# KiCad board skean.kicad_pcb
title: Skean; date: 2023-03-15; rev: 0.3
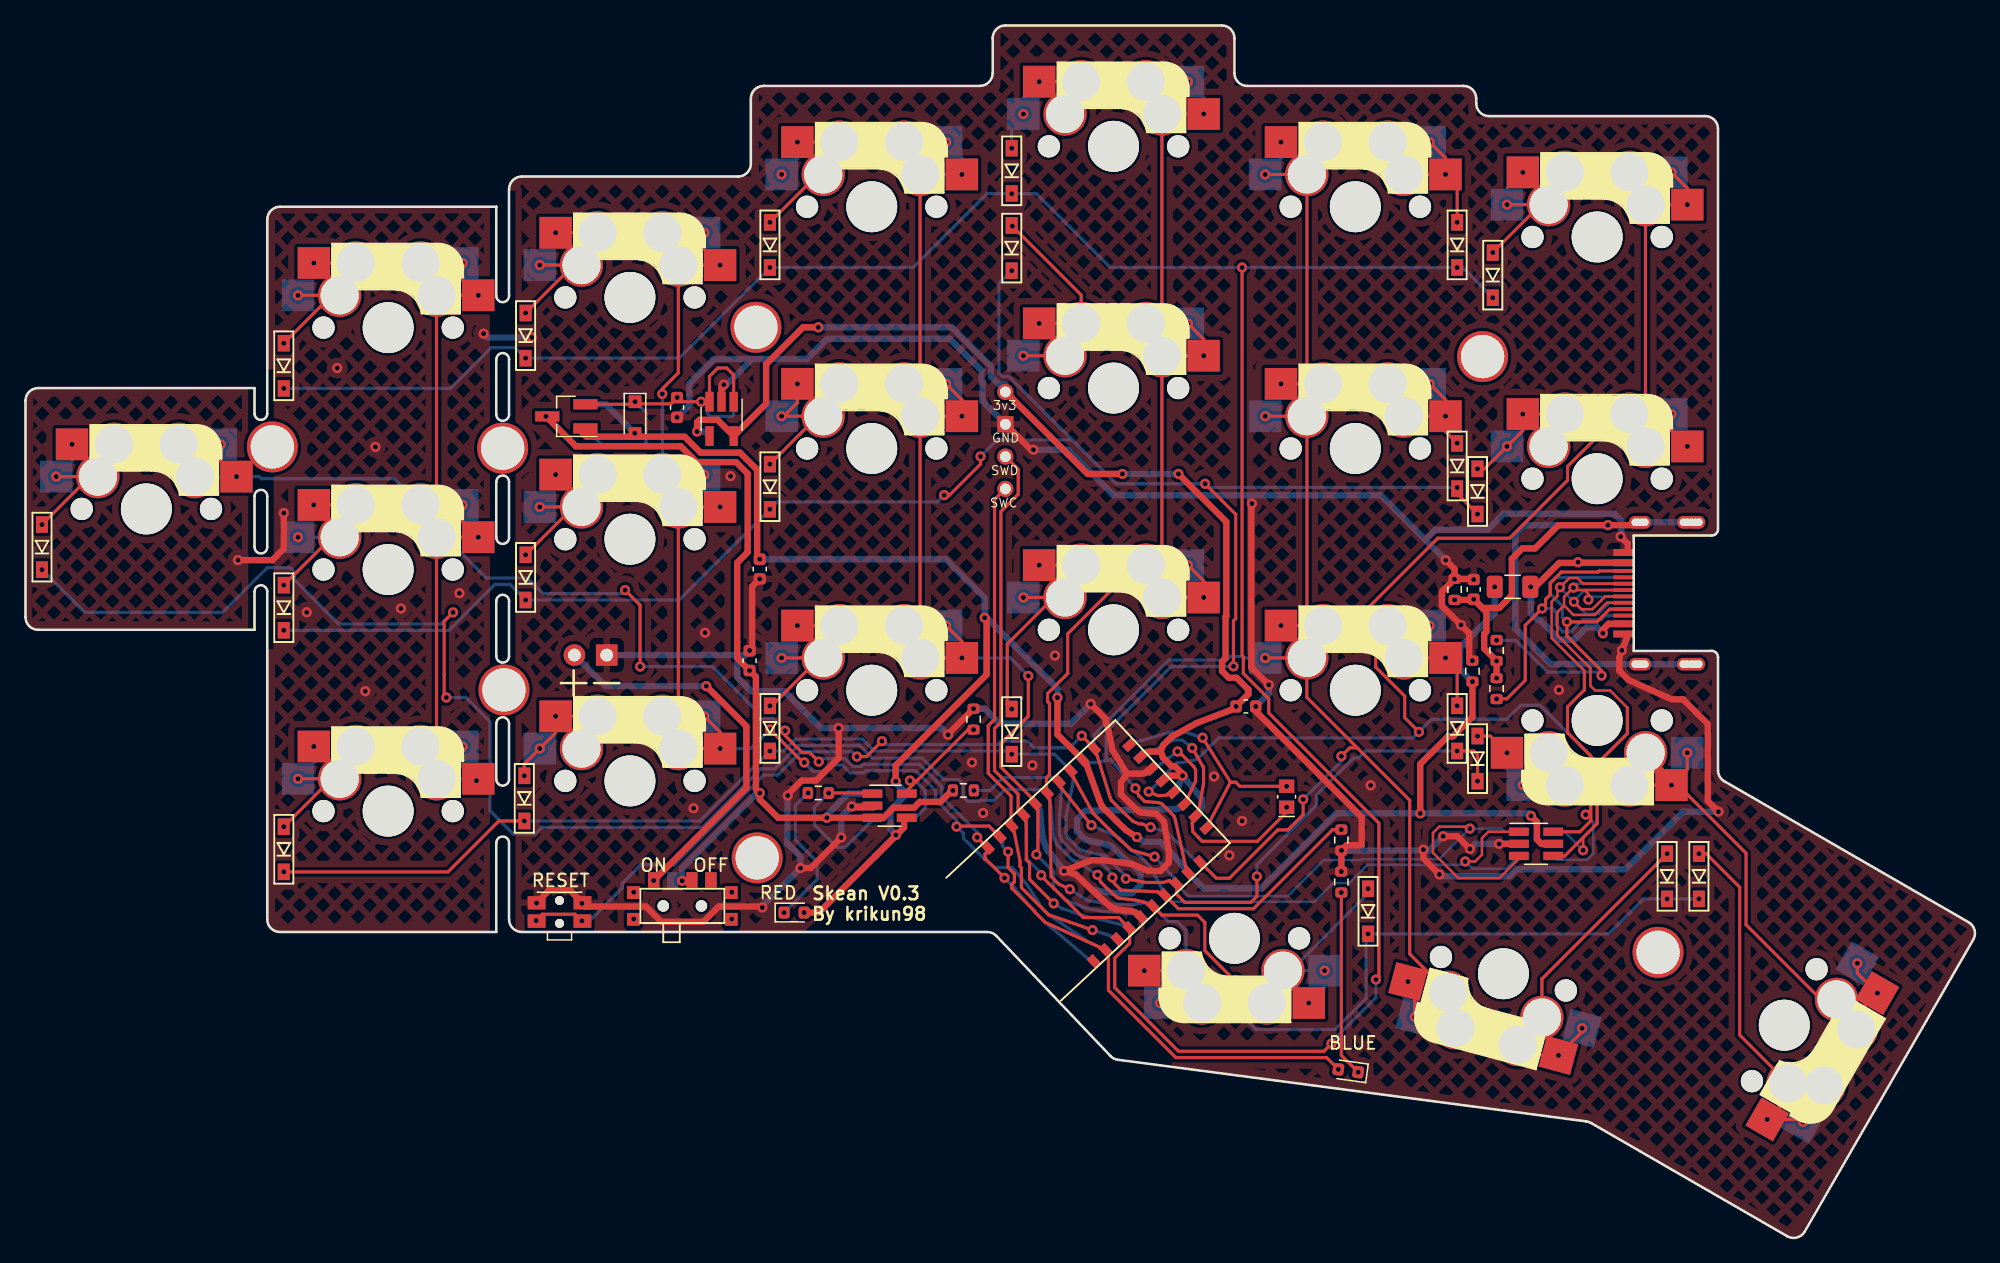
[diagram p0: board, top side]
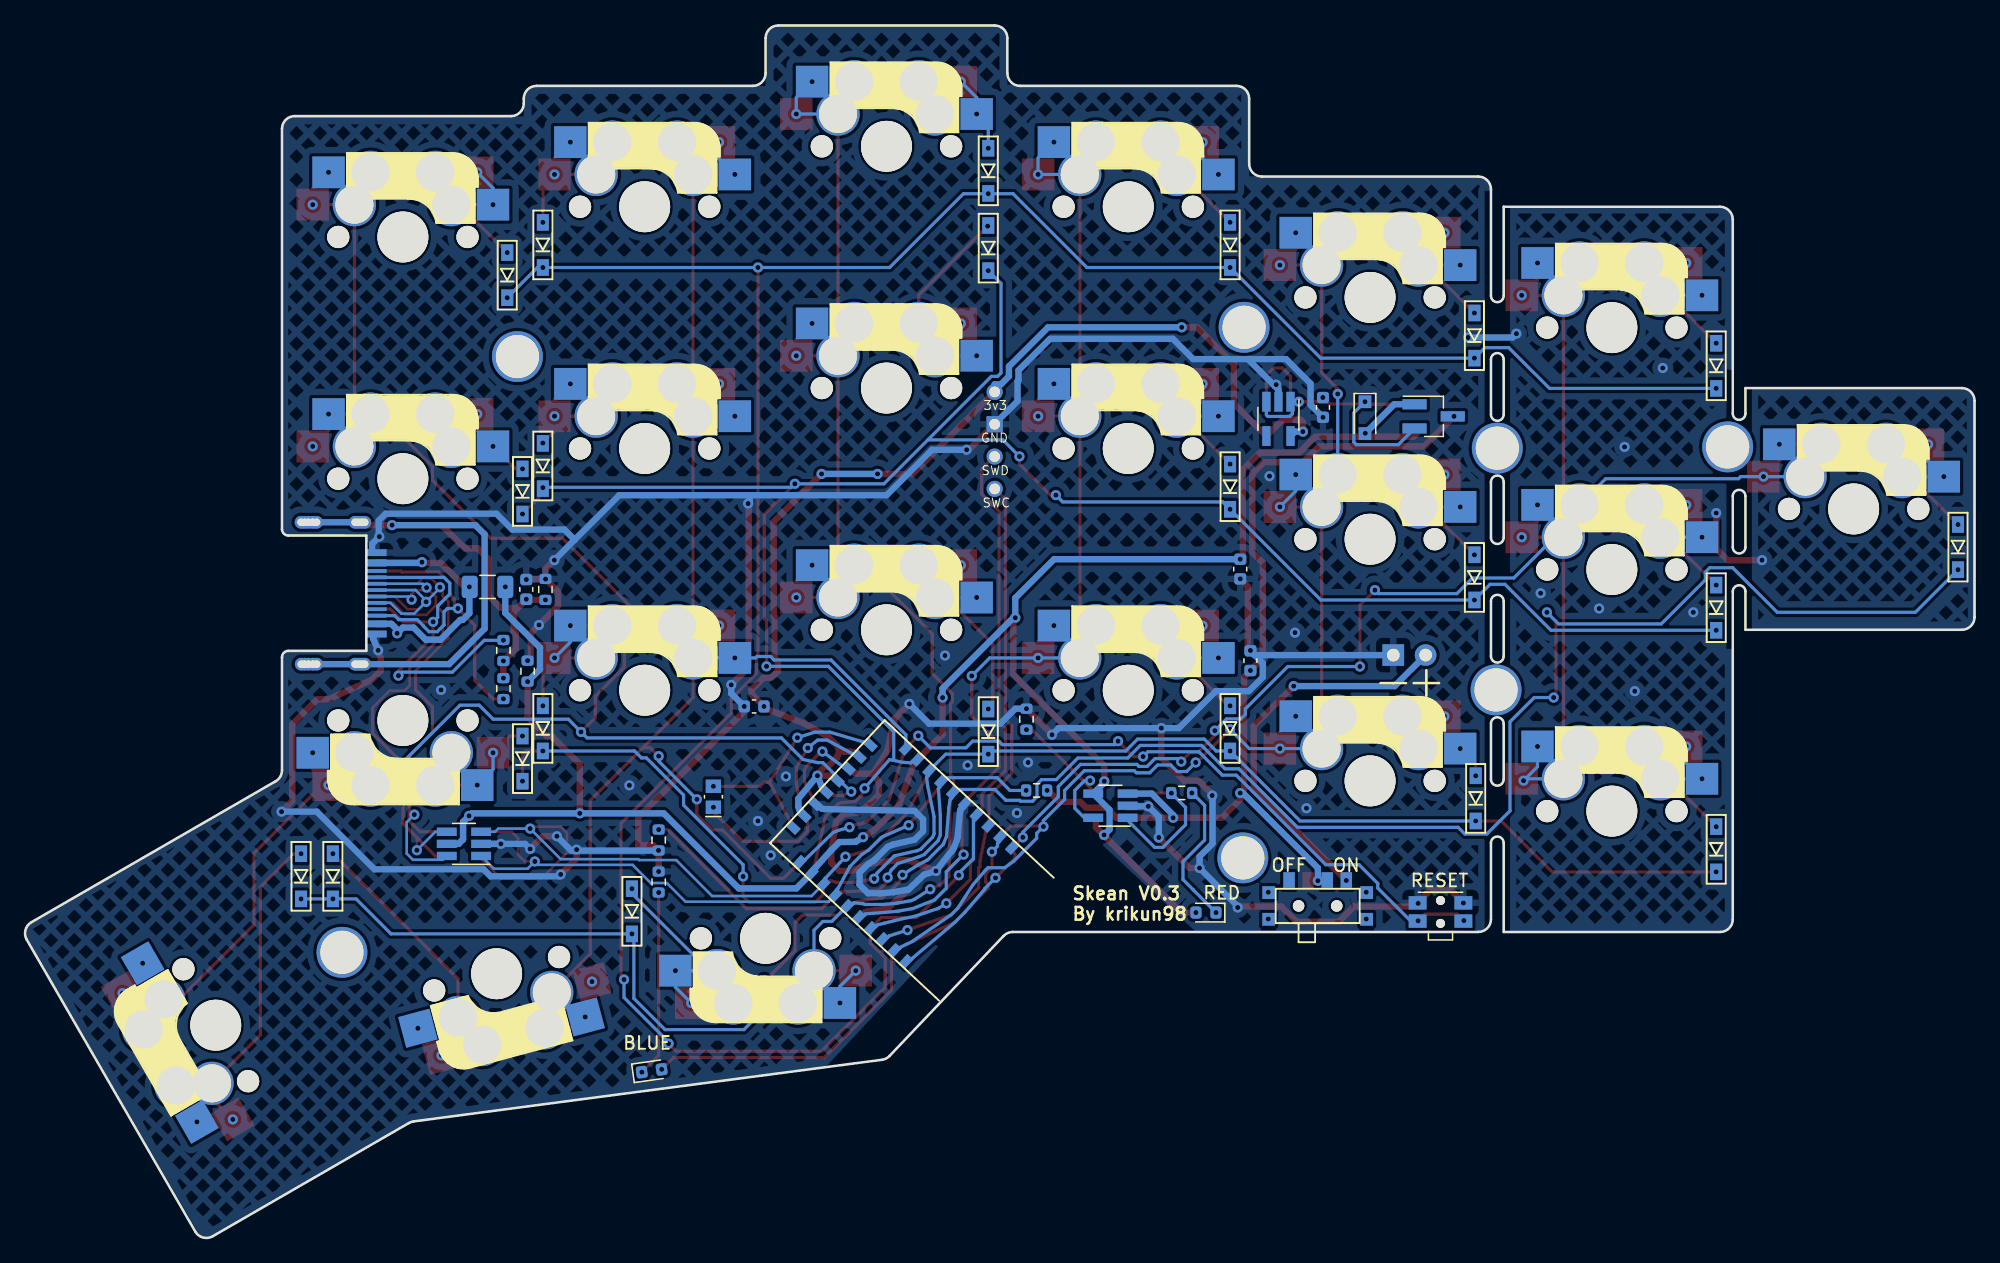
[diagram p1: board, bottom side, seen from below]

Outline 153.16 x 95.27 mm; copper layers: Top, Bottom. Coordinates in mm from the lower left corner of the outline.
Outline path: 0,65.77 arc(0.29,66.47) 1,66.77 18,66.77 18,64.77 arc(18.5,64.27) 19,64.77 19,80.02 arc(19.29,80.72) 20,81.02 37,81.02 37,74.02 arc(37.5,73.52) 38,74.02 38,82.39 arc(38.29,83.1) 39,83.39 56,83.39 arc(56.71,83.69) 57,84.39 57,89.52 arc(57.29,90.22) 58,90.52 75,90.52 arc(75.71,90.81) 76,91.52 76,94.27 arc(76.29,94.97) 77,95.27 94,95.27 arc(94.71,94.97) 95,94.27 95,91.52 arc(95.29,90.81) 96,90.52 113,90.52 arc(113.71,90.22) 114,89.52 114,89.14 arc(114.29,88.44) 115,88.14 132,88.14 arc(132.71,87.85) 133,87.14 133,55.68 arc(132.85,55.32) 132.5,55.18 126.37,55.17 126.37,46.11 132.5,46.11 arc(132.85,45.97) 133,45.61 133,36.73 arc(133.13,36.23) 133.5,35.86 152.69,24.78 arc(153.16,24.17) 153.06,23.42 139.81,0.47 arc(139.2,0) 138.44,0.1 123.02,9 arc(122.85,9.08) 122.66,9.13 85.85,13.97 arc(85.53,14.07) 85.26,14.27 76.29,23.71 arc(75.97,23.94) 75.58,24.02 39,24.02 arc(38.29,24.31) 38,25.02 38,31.02 arc(37.5,31.52) 37,31.02 37,24.02 19.99,24.02 arc(19.29,24.31) 19,25.01 19,50.77 arc(18.5,51.27) 18,50.77 18,47.77 1,47.77 arc(0.29,48.06) 0,48.77 0,65.77 ; 18,58.27 18,54.27 arc(18.5,53.77) 19,54.27 19,58.27 arc(18.5,58.77) 18,58.27 ; 37,69.02 37,64.69 arc(37.5,64.19) 38,64.69 38,69.02 arc(37.5,69.52) 37,69.02 ; 37,59.39 arc(37.5,59.89) 38,59.39 38,55.02 arc(37.5,54.52) 37,55.02 37,59.39 ; 37,50.02 arc(37.5,50.52) 38,50.02 38,45.69 arc(37.5,45.19) 37,45.69 37,50.02 ; 37,40.39 37,36.02 arc(37.5,35.52) 38,36.02 38,40.39 arc(37.5,40.89) 37,40.39
Stack: Top 0.035mm / dielectric 0.72mm FR4 er 4.5 / Bottom 0.035mm

## Placement (name value [footprint] x y rotation side)
C1  10pF  [C_0603_1608Metric_REV]  51.2 65.24 270 top
C2  10pF  [C_0603_1608Metric_REV]  95.9 41.74 0 top
C3  1nF  [C_0603_1608Metric_REV]  113.8 50.94 270 top
C4  4.7uF  [C_0603_1608Metric_REV]  56.9 45.34 90 top
C5  4.7uF  [C_0603_1608Metric_REV]  57.7 52.54 270 top
D1  D_Small  [D3_SMD]  20.3 68.52 90 top
D2  D_Small  [D3_SMD]  39.3 70.89 90 top
D3  D_Small  [D3_SMD]  58.5 78.02 90 top
D4  D_Small  [D3_SMD]  77.5 83.84 90 top
D5  D_Small  [D3_SMD]  112.5 78.02 90 top
D6  D_Small  [D3_SMD]  115.3 75.64 90 top
D7  D_Small  [D3_SMD]  20.3 49.5 90 top
D8  D_Small  [D3_SMD]  39.3 51.89 90 top
D9  D_Small  [D3_SMD]  58.5 59.02 90 top
D10  D_Small  [D3_SMD]  77.5 77.77 90 top
D11  D_Small  [D3_SMD]  112.5 60.64 90 top
D12  D_Small  [D3_SMD]  114.1 58.64 90 top
D13  D_Small  [D3_SMD]  20.3 30.52 90 top
D14  D_Small  [D3_SMD]  39.2 34.52 90 top
D15  D_Small  [D3_SMD]  58.5 40.02 90 top
D16  D_Small  [D3_SMD]  77.5 39.77 90 top
D17  D_Small  [D3_SMD]  112.5 40.02 90 top
D18  D_Small  [D3_SMD]  114.1 37.64 90 top
D19  D_Small  [D3_SMD]  1.3 54.27 90 top
D20  D_Small  [D3_SMD]  105.5 25.64 90 top
D21  D_Small  [D3_SMD]  129 28.39 90 top
D22  D_Small  [D3_SMD]  131.5 28.39 90 top
D23  1N5819  [D_SOD-323_HandSoldering_REV]  47.9 64.44 270 top
D24  RED  [LED_0603_1608Metric_REV]  60.4 25.54 0 top
D25  BLUE  [LED_0603_1608Metric_REV]  103.94 13.11 172 top
F1  500mA  [Fuse_1206_3216Metric_REV]  116.85 51.14 180 top
H0  MountingHole  [M2-MountingHole-Standoff]  19.4 62.14 0 top
H1  MountingHole  [M2-MountingHole-Standoff]  37.6 43.04 0 top
H2  MountingHole  [M2-MountingHole-Standoff]  37.5 62.04 0 top
H3  MountingHole  [M2-MountingHole-Standoff]  57.4 71.54 0 top
H4  MountingHole  [M2-MountingHole-Standoff]  57.5 29.84 0 top
H5  MountingHole  [M2-MountingHole-Standoff]  114.5 69.24 0 top
H6  MountingHole  [M2-MountingHole-Standoff]  128.29 22.42 0 top
J2  SWD  [connector_swd_REV]  76.9 57.71 180 top
J3  USB-C Conn  [USB-C_C168688_REV_V2]  132.97 50.64 270 top
J4  Conn_01x02_Female  [Battery_TH]  45.67 45.78 270 top
K1  KEYSW  [MX-HS-SOL-1U-REV]  28.5 71.52 0 top
K2  KEYSW  [MX-HS-SOL-1U-REV]  47.5 73.89 0 top
K3  KEYSW  [MX-HS-SOL-1U-REV]  66.5 81.02 0 top
K4  KEYSW  [MX-HS-SOL-1U-REV]  85.5 85.77 0 top
K5  KEYSW  [MX-HS-SOL-1U-REV]  104.5 81.02 0 top
K6  KEYSW  [MX-HS-SOL-1U-REV]  123.5 78.64 0 top
K7  KEYSW  [MX-HS-SOL-1U-REV]  28.5 52.5 0 top
K8  KEYSW  [MX-HS-SOL-1U-REV]  47.5 54.89 0 top
K9  KEYSW  [MX-HS-SOL-1U-REV]  66.5 62.02 0 top
K10  KEYSW  [MX-HS-SOL-1U-REV]  85.5 66.77 0 top
K11  KEYSW  [MX-HS-SOL-1U-REV]  104.5 62.02 0 top
K12  KEYSW  [MX-HS-SOL-1U-REV]  123.5 59.64 0 top
K13  KEYSW  [MX-HS-SOL-1U-REV]  28.5 33.52 0 top
K14  KEYSW  [MX-HS-SOL-1U-REV]  47.5 35.89 0 top
K15  KEYSW  [MX-HS-SOL-1U-REV]  66.5 43.02 0 top
K16  KEYSW  [MX-HS-SOL-1U-REV]  85.5 47.77 0 top
K17  KEYSW  [MX-HS-SOL-1U-REV]  104.5 43.02 0 top
K18  KEYSW  [MX-HS-SOL-1U-REV]  123.5 40.64 180 top
K19  KEYSW  [MX-HS-SOL-1U-REV]  9.5 57.27 0 top
K20  KEYSW  [MX-HS-SOL-1U-REV]  95 23.52 180 top
K21  KEYSW  [MX-HS-SOL-1U-REV]  116.14 20.73 165 top
K22  KEYSW  [MX-HS-SOL-1.5U-REV]  138.2 16.69 240 top
Q2  AO3407  [SOT-23_Handsoldering_REV]  42.5 64.54 180 top
R2  806K  [R_0603_1608Metric_REV]  73.7 35.14 0 top
R3  2M  [R_0603_1608Metric_REV]  103.4 31.24 270 top
R4  5.1K  [R_0603_1608Metric_REV]  115.6 43.14 90 top
R5  5.1K  [R_0603_1608Metric_REV]  115.6 46.14 270 top
R6  100K  [R_0603_1608Metric_REV]  113.7 44.52 90 top
R7  1K  [R_0603_1608Metric_REV]  62.3 34.94 0 top
R8  RPROG  [R_0603_1608Metric_REV]  74.5 40.74 90 top
R9  1K  [R_0603_1608Metric_REV]  103.4 27.94 90 top
R10  1M  [R_0603_1608Metric_REV]  112.3 50.94 90 top
RSW1  SW_PUSH  [SW_SPST_EVQP7C_REV]  41.97 25.59 0 top
SW1  SW_SPDT  [SW_SPDT+H-MSK12C01_hor(7pin_SMD)_REV]  51.62 26.06 0 top
U1  E73-2G4M08S1E  [E73-2G4M08S1E-52833_REV]  90.05 35.75 223 top
U2  XC6220B331MR-G  [SOT-23-5_HandSoldering_REV]  54.7 64.34 270 top
U3  TP4054  [SOT-23-5_HandSoldering_REV]  67.9 33.94 0 top
U4  USBLC6-2SC6  [SOT-23-6_Handsoldering_REV]  118.7 30.94 0 top
X1  32.768kHz  [Crystal_SMD_MicroCrystal_CM9V-T1A-2Pin_1.6x1.0mm_HandSoldering_REV]  99.1 34.64 90 top

## Library data of the parts
C1 C2 = -: LCSC: C1634
C3 = -: LCSC: C1588
C4 C5 = -: LCSC: C19666
F1 = -: LCSC: C883122
R10 = -: LCSC: C22935
U4 = -: LCSC: C558442

## Footprints (pads in the part's own frame, mm; a bottom-side part is the same pattern mirrored in y, then rotated)
Battery_TH
  rect 1.7x1.7 hole 1: 1(0,0)
  oval 1.7x1.7 hole 1: 2(0,-2.54)
C_0603_1608Metric_REV
  rrect 0.9x0.95 smd: 1(-0.775,0) 2(0.775,0)
  rrect 0.9x0.95 smd far side: 1(-0.775,0) 2(0.775,0)
connector_swd_REV
  oval 1.27x1.27 hole 0.85: 1(-0.1,-8.75) 3(-0.1,-3.67) 4(-0.1,-1.13)
  rect 1.27x1.27 hole 0.85: 2(-0.1,-6.21)
Crystal_SMD_MicroCrystal_CM9V-T1A-2Pin_1.6x1.0mm_HandSoldering_REV
  rect 1.05x1.2 smd: 1(-0.825,0) 2(0.825,0)
  rect 1.05x1.2 smd far side: 1(-0.825,0) 2(0.825,0)
D3_SMD
  rect 1.3x0.95 smd: 1(-1.775,0) 2(1.775,0)
  rect 1.3x0.95 smd far side: 1(-1.775,0) 2(1.775,0)
D_SOD-323_HandSoldering_REV
  rect 1x1 smd: 1(-1.25,0) 2(1.25,0)
  rect 1x1 smd far side: 1(-1.25,0) 2(1.25,0)
E73-2G4M08S1E-52833_REV
  rect 0.65x1 smd: 1(14.03,6.119) 2(12.76,6.119) 3(11.49,6.119) 4(10.22,6.119) 5(8.95,6.119) 6(7.68,6.119) 7(6.41,6.119) 8(5.14,6.119) 9(3.87,6.119) 10(2.6,6.119) 26(2.6,-6.119) 27(3.87,-6.119) 29(5.14,-6.119) 31(6.41,-6.119) 33(7.68,-6.119) 35(8.95,-6.119) 37(10.22,-6.119) 39(11.49,-6.119) 41(12.76,-6.119) 43(14.03,-6.119)
  rect 0.65x1 smd far side: 1(14.03,-6.12) 2(12.76,-6.12) 3(11.49,-6.12) 4(10.22,-6.12) 5(8.95,-6.12) 6(7.68,-6.12) 7(6.41,-6.12) 8(5.14,-6.12) 9(3.87,-6.12) 10(2.6,-6.12) 26(2.6,6.12) 27(3.87,6.12) 29(5.14,6.12) 31(6.41,6.12) 33(7.68,6.12) 35(8.95,6.12) 37(10.22,6.12) 39(11.49,6.12) 41(12.76,6.12) 43(14.03,6.12)
  rect 1x0.65 smd far side: 11(0.38,-4.42) 13(0.38,-3.15) 15(0.38,-1.88) 17(0.38,-0.61) 19(0.38,0.66) 21(0.38,1.93) 23(0.38,3.2) 25(0.38,4.47)
  rect 1x0.65 smd: 11(0.381,4.47) 13(0.381,3.2) 15(0.381,1.93) 17(0.381,0.66) 19(0.381,-0.61) 21(0.381,-1.88) 23(0.381,-3.15) 25(0.381,-4.42)
Fuse_1206_3216Metric_REV
  rrect 1.25x1.75 smd far side: 1(-1.4,0.005) 2(1.4,0.005)
  rrect 1.25x1.75 smd: 1(-1.4,0) 2(1.4,0)
LED_0603_1608Metric_REV
  rrect 0.875x0.95 smd far side: 1(-0.793,0) 2(0.782,0)
  rrect 0.875x0.95 smd: 1(-0.787,0) 2(0.787,0)
M2-MountingHole-Standoff
  round 4 hole 3.4: (0,0)
MX-HS-SOL-1.5U-REV
  round 1.75 hole 1.75 unplated: (-5.08,0) (5.08,0)
  round 4 hole 4 unplated: (0,0)
  rect 2.55x2.5 smd far side: 1(-7.085,2.54) 2(5.842,5.08)
  rect 2.55x2.5 smd: 1(-5.842,5.08) 2(7.085,2.54)
  round 3.4 hole 3: 1(-3.81,2.54) 1(-2.54,5.08) 2(2.54,5.08) 2(3.81,2.54)
MX-HS-SOL-1U-REV
  round 1.75 hole 1.75 unplated: (-5.08,0) (5.08,0)
  round 4 hole 4 unplated: (0,0)
  rect 2.55x2.5 smd far side: 1(-7.085,2.54) 2(5.842,5.08)
  rect 2.55x2.5 smd: 1(-5.842,5.08) 2(7.085,2.54)
  round 3.4 hole 3: 1(-3.81,2.54) 1(-2.54,5.08) 2(2.54,5.08) 2(3.81,2.54)
R_0603_1608Metric_REV
  rrect 0.8x0.95 smd: 1(-0.825,0) 2(0.825,0)
  rrect 0.8x0.95 smd far side: 1(-0.825,0) 2(0.825,0)
SOT-23-5_HandSoldering_REV
  rect 1.56x0.65 smd: 1(-1.35,0.95) 2(-1.35,0) 3(-1.35,-0.95) 4(1.35,-0.95) 5(1.35,0.95)
  rect 1.56x0.65 smd far side: 1(-1.35,-0.95) 2(-1.35,0) 3(-1.35,0.95) 4(1.35,0.95) 5(1.35,-0.95)
SOT-23-6_Handsoldering_REV
  rect 1.56x0.65 smd: 1(-1.35,0.95) 2(-1.35,0) 3(-1.35,-0.95) 4(1.35,-0.95) 5(1.35,0) 6(1.35,0.95)
  rect 1.56x0.65 smd far side: 1(-1.35,-0.95) 2(-1.35,0) 3(-1.35,0.95) 4(1.35,0.95) 5(1.35,0) 6(1.35,-0.95)
SOT-23_Handsoldering_REV
  rect 1.9x0.8 smd: 1(-1.5,0.95) 2(-1.5,-0.95) 3(1.5,0)
  rect 1.9x0.8 smd far side: 1(-1.5,-0.95) 2(-1.5,0.95) 3(1.5,0)
SW_SPDT+H-MSK12C01_hor(7pin_SMD)_REV
  round 0.9 hole 0.9 unplated: (-1.5,0) (1.5,0)
  rect 0.9x1.3 smd: 1(-2.25,2) 2(0.75,2) 3(2.25,2)
  rect 0.9x1.3 smd far side: 1(-2.25,2) 2(-0.75,2) 3(2.25,2)
  rect 1x1 smd: H(-3.85,1.05) H(-3.85,-1.05) H(3.85,1.05) H(3.85,-1.05)
  rect 1x1 smd far side: H(-3.85,1.05) H(-3.85,-1.05) H(3.85,1.05) H(3.85,-1.05)
SW_SPST_EVQP7C_REV
  round 0.7 hole 0.7 unplated: (0,0.9) (0,-0.9)
  rect 1.4x1.05 smd: 1(-1.8,-0.72) 1(1.8,-0.72) 2(-1.8,0.72) 2(1.8,0.72)
  rect 1.4x1.05 smd far side: 1(-1.8,-0.72) 1(1.8,-0.72) 2(-1.8,0.72) 2(1.8,0.72)
USB-C_C168688_REV_V2
  rect 0.54x1.6 smd: A1(-3.2,-7.4) A1(3.2,-7.4) A4(-2.4,-7.4) A4(2.4,-7.4)
  rect 0.54x1.6 smd far side: A1(-3.19,-7.4) A1(3.21,-7.4) A4(2.41,-7.4)
  rect 0.56x1.6 smd far side: A4(-2.38,-7.4)
  rect 0.29x1.6 smd far side: A5(-1.245,-7.4) A6(-0.245,-7.4) A8(1.255,-7.4) B6(0.755,-7.4) B7(-0.745,-7.4)
  rect 0.3x1.6 smd: A5(1.25,-7.4) A6(0.25,-7.4) A7(-0.25,-7.4) A8(-1.25,-7.4) B5(-1.75,-7.4) B6(-0.75,-7.4) B7(0.75,-7.4) B8(1.758,-7.4)
  rect 0.3x1.6 smd far side: A7(0.26,-7.4) B5(1.76,-7.4)
  rect 0.298x1.6 smd far side: B8(-1.749,-7.4)
  round 1 hole 0.6: S1(-5.576,-1.473) S1(-5.575,-1.753) S1(-5.575,-2.057) S1(-5.575,-2.4) S1(-5.575,-2.692) S1(-5.575,-6.236) S1(-5.575,-5.719) S1(-5.575,-5.982) S1(-5.575,-6.481) S1(5.575,-1.486) S1(5.575,-1.765) S1(5.575,-2.07) S1(5.575,-2.413) S1(5.575,-2.705) S1(5.575,-6.236) S1(5.576,-5.719) S1(5.576,-5.982) S1(5.576,-6.481)

## Nets
GND: C1.2 C2.2 C3.1 C4.2 C5.2 J2.2 J3.A1 J4.1 R3.2 R6.2 R8.2 R9.2 R10.2 RSW1.2 U1.5 U1.21 U2.2 U3.2 U4.2
GNDS: C3.2 J3.S1 R4.2 R5.2 R10.1
VBAT: C4.1 Q2.3 R2.1 SW1.2 U3.3
VBUS: C5.1 D23.2 D24.2 F1.2 Q2.1 R6.1 U1.27 U3.4 U4.5
/P0.00: U1.11 X1.2
/P0.01: U1.13 X1.1
BATTERY_PIN: R2.2 R3.1 U1.7
BLUE_LED: D25.2 U1.2
CC1: J3.A5 R5.1
CC2: J3.B5 R4.1
COL0: K1.2 K7.2 K13.2 K19.2 U1.43
COL1: K2.2 K8.2 K14.2 U1.41
COL2: K3.2 K9.2 K15.2 U1.35
COL3: K4.2 K10.2 K16.2 K20.2 U1.33
COL4: K5.1 K11.1 K17.1 K21.2 U1.10
COL5: K6.2 K12.2 K18.1 K22.1 U1.17
DATA+: U1.31 U4.1
DATA-: U1.29 U4.3
nRF_VDD: C2.1 J2.1 U1.19 U1.23 U2.5
PROG: U1.15
RESET: RSW1.1 U1.26
ROW0: D1.1 D2.1 D3.1 D4.1 D5.1 D6.1 U1.4
ROW1: D7.1 D8.1 D9.1 D10.1 D11.1 D12.1 U1.9
ROW2: D13.1 D14.1 D15.1 D16.1 D17.1 D18.1 U1.8
ROW3: D19.1 D20.1 D21.1 D22.1 U1.6
SWC: J2.4 U1.39
SWD: J2.3 U1.37
USBN: J3.A7 J3.B7 U4.4
USBP: J3.A6 J3.B6 U4.6
Net-(C1-Pad1): C1.1 D23.1 Q2.2 U2.1 U2.3
Net-(D1-Pad2): D1.2 K1.1
Net-(D2-Pad2): D2.2 K2.1
Net-(D3-Pad2): D3.2 K3.1
Net-(D4-Pad2): D4.2 K4.1
Net-(D5-Pad2): D5.2 K5.2
Net-(D6-Pad2): D6.2 K6.1
Net-(D7-Pad2): D7.2 K7.1
Net-(D8-Pad2): D8.2 K8.1
Net-(D9-Pad2): D9.2 K9.1
Net-(D10-Pad2): D10.2 K10.1
Net-(D11-Pad2): D11.2 K11.2
Net-(D12-Pad2): D12.2 K12.1
Net-(D13-Pad2): D13.2 K13.1
Net-(D14-Pad2): D14.2 K14.1
Net-(D15-Pad2): D15.2 K15.1
Net-(D16-Pad2): D16.2 K16.1
Net-(D17-Pad2): D17.2 K17.2
Net-(D18-Pad2): D18.2 K18.2
Net-(D19-Pad2): D19.2 K19.1
Net-(D20-Pad2): D20.2 K20.1
Net-(D21-Pad2): D21.2 K21.1
Net-(D22-Pad2): D22.2 K22.2
Net-(D24-Pad1): D24.1 R7.1
Net-(D25-Pad1): D25.1 R9.1
Net-(F1-Pad1): F1.1 J3.A4
Net-(J4-Pad2): J4.2 SW1.1
Net-(R7-Pad2): R7.2 U3.1
Net-(R8-Pad1): R8.1 U3.5

Pads without a net: J3 A8 B8; SW1 3 H; U1 1 3 25; U2 4

## Via types
v1: diameter 0.8, hole 0.4, Top to Bottom, 303 vias

## Routing (per net, layer and track width the routed paths; a pad name or vN(x,y) marks a point on that pad's centre or on a via; arc(x,y) is an arc through that point)
GND: length 383.2
  Top w0.5: v1(64.1,31.44) 61.7,29.04 v1(60.9,29.04) ; v1(109.85,30.49) 109.85,29.79 v1(111.1,28.54) ; U2.2 54.7,66.86 v1(54.88,67.04) ; U1.5 87.45,25.3 87.28,25.49 87.2,25.56 86.95,25.64 85.71,25.8 85.3,25.98 84.59,26.6 83.76,27.36 82.54,28.53 v1(81.62,28.81) 83.76,29.66 84.72,29.66 86.94,29.36 88.26,28.82 89.19,28.82 89.84,29.47 89.84,30.4 89.46,32.69 88.84,33.3 87.66,33.4 87.52,33.46 86.75,34.17 86.08,34.83 86.08,35.78 86.56,36.46 ; v1(72.5,39.52) 72.5,39.56 v1(74.5,41.57) ; v1(63.9,40.04) 63.9,37.7 62.12,35.92 60.99,35.92 59.9,34.83 v1(59.9,34.74) ; v1(97.7,43.44) 96.33,44.81 96.33,57.64 v1(96.37,57.69) ; 125.92,53.84 125.92,54.52 v1(125.35,55.09) ; 77,63.94 79.02,61.92 v1(79.2,61.92) ; v1(111.4,31.54) 112.5,31.54 v1(113.5,30.54) ; v1(133.03,33.47) 132.2,34.31 132.2,40.34 130.24,42.3 129.37,42.3 125.98,43.82 125.24,44.55 125.24,45.58 v1(125.44,46.15) 125.82,47.07 125.82,47.42 125.97,47.44 ; v1(16.7,53.24) 19.4,53.24 20.3,54.14 v1(20.3,56.94) ; v1(111.6,53.24) 112.3,52.54 R10.2 ; 64.93,33.82 66.64,33.82 66.76,33.94 ; v1(115.8,30.94) U4.2 ; 86.56,36.46 87.79,36.46 88,36.51 88.26,36.75 U1.21 ; 86.56,36.46 85.42,38.31 85.02,40.27 84.9,40.39 84.9,40.74 v1(83.7,41.94) ; v1(43.73,26.27) 43.98,26.01 48.77,26.01 49.96,24.82 53.27,24.82 54.47,26.01 57.83,26.01 v1(57.9,25.94) ; RSW1.2 41.15,27.29 42.79,27.29 RSW1.2 ; R10.2 v1(112.29,51.75) 111.3,50.77 111.3,49.65 v1(112.81,48.15) 113.45,47.5 113.45,45.59 v1(113.7,45.34) ; R10.2 113.75,51.77 v1(113.8,51.72) ; 57.13,46.12 C4.2 v1(56.9,46.14) 57.11,46.35 57.11,51.18 v1(57.7,51.77) ; v1(103.4,28.77) R3.2 v1(103.41,30.43) 103.83,30.84 105,30.84 105,33.04 96.67,41.37 v1(96.67,41.74)
  Bottom w0.5: 96.25,58.34 96.25,57.82 v1(96.37,57.69) ; 96.25,58.34 85.5,58.34 81.92,61.92 v1(79.2,61.92) ; 96.25,58.34 106.5,58.34 110,54.84 ; v1(113.5,30.54) 113.9,30.94 U4.2 ; v1(59.9,34.74) 59.88,34.72 59.88,30.97 60.9,29.94 v1(60.9,29.04) 57.9,26.04 v1(57.9,25.94) ; v1(133.03,33.47) 130.26,33.47 125.73,28.94 117.15,28.94 116.6,28.39 111.25,28.39 v1(111.1,28.54) ; v1(83.7,41.94) 82.15,40.39 76.55,40.39 75.38,41.57 v1(74.5,41.57) ; v1(111.4,31.54) 110.27,30.42 R3.2 ; v1(39.8,70.74) 36.3,70.74 v1(36,71.04) ; 57.1,69.04 61.4,69.04 63,70.64 72.64,70.64 75.13,68.16 75.13,67.38 75.2,67.3 75.2,65.74 77,63.94 ; 57.1,69.04 54.7,66.64 U2.2 ; 57.1,69.04 54.1,69.04 52.17,67.12 52.17,65.44 v1(51.2,64.47) ; 110,54.84 v1(111.6,53.24) ; 110,54.84 110.8,55.64 114.9,55.64 116.15,56.89 124.85,56.89 125.4,56.34 125.4,55.14 v1(125.35,55.09) 125.92,54.52 125.92,53.83 ; v1(72.5,39.52) 71.97,40.04 62.52,40.04 59.62,42.94 57.03,42.94 55.93,44.04 55.93,45.14 C4.2 56.56,45.78 J4.1 ; v1(64.1,31.44) 64.1,33.06 v1(64.93,33.89) 66.5,33.89 U3.2 ; 125.97,47.43 125.82,47.41 125.82,47.06 v1(125.44,46.15) ; v1(97.7,43.44) 97.7,42.76 v1(96.67,41.74) ; 125.82,53.85 125.97,53.83 ; U1.5 79.45,33.89 79.68,33.64 79.73,33.42 79.91,31.46 79.98,31.21 80.24,30.57 80.37,30.35 80.56,30.16 v1(81.62,28.81) 82.54,28.53 83.76,27.36 84.93,27.15 85.99,27.06 86.94,27.06 87.61,27.73 87.61,28.68 86.94,29.36 86.45,29.67 85.4,30.72 84.99,30.89 83.29,31.27 82.62,31.93 82.62,32.87 83.29,33.54 90.39,33.68 90.6,33.72 90.67,33.79 90.85,33.96 U1.21